# Altium PCB LOGTURTLE_APR_25_TX.PcbDoc (part 3 of 5)
Units mm, origin at the board's own origin, x right, y up, seen from the top; angles counter-clockwise.
Board outline 161.1 x 125.7 mm, 6 copper layers (Top Layer, Mid-Layer 1, Mid-Layer 2, Mid-Layer 3, Mid-Layer 4, Bottom Layer), stack 1.771 mm thick; 253 components, 174 nets, 811 pads, 5842 vias.
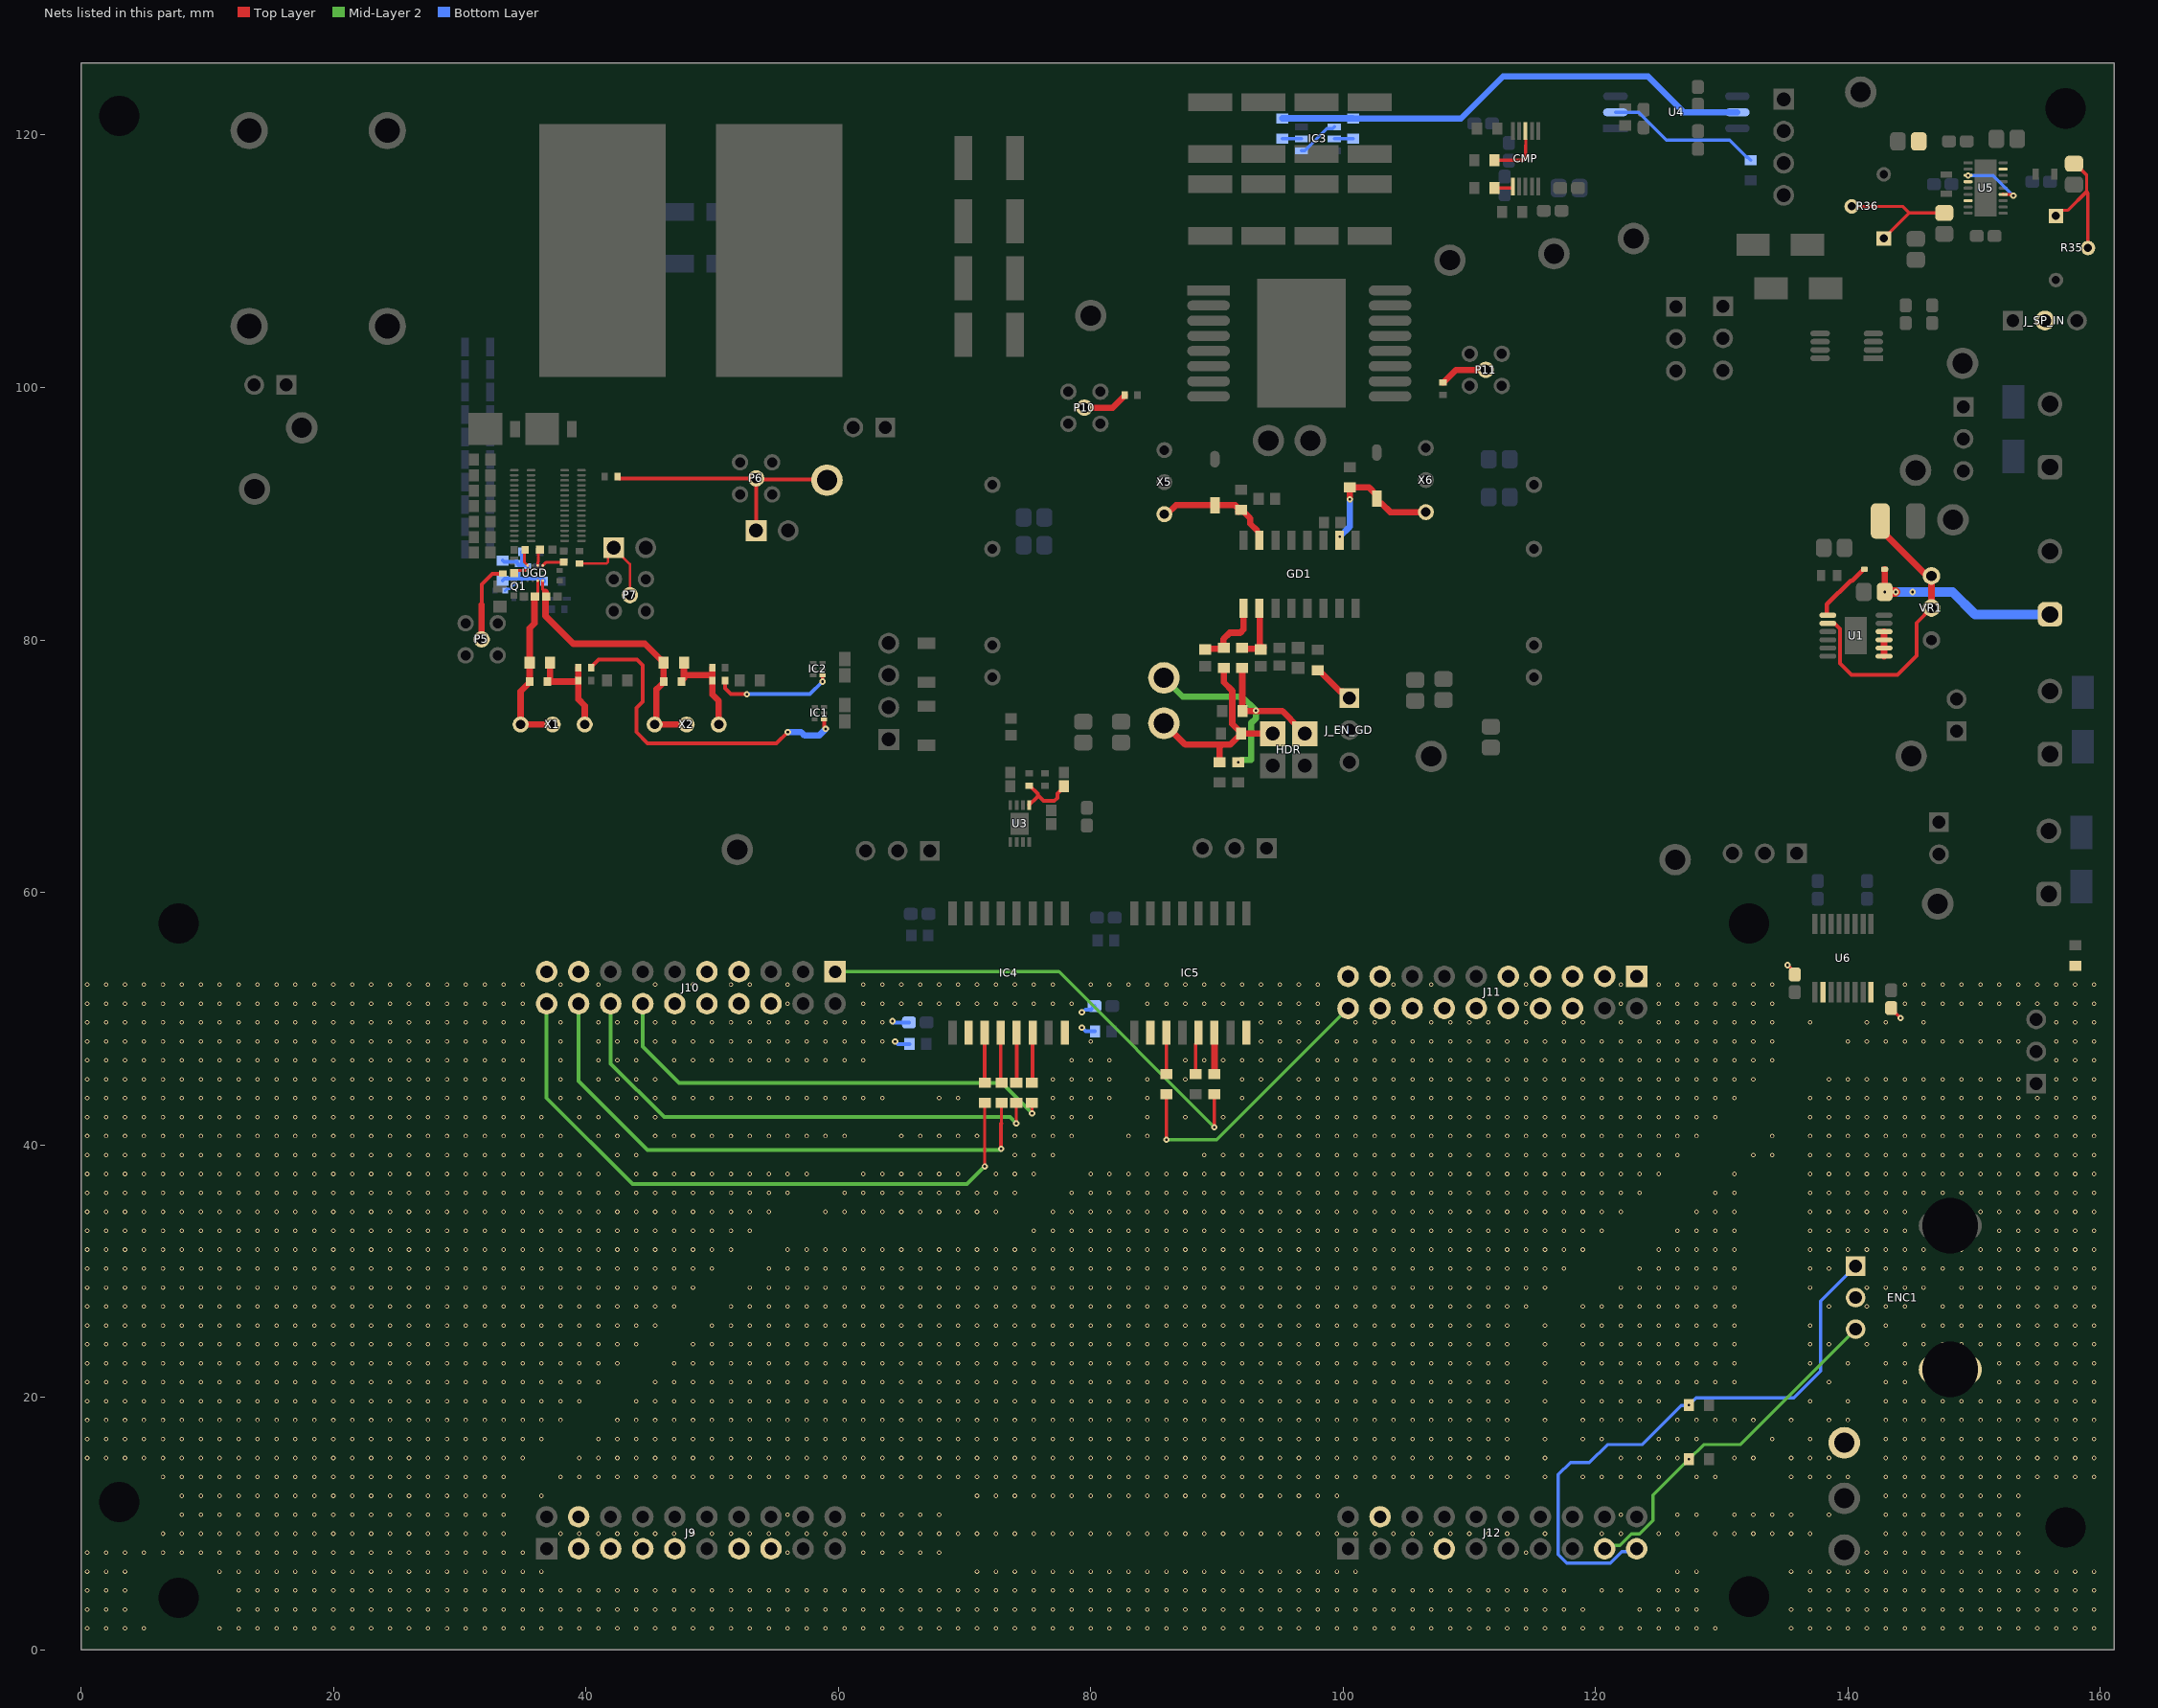
[diagram p7: the nets of this part, all layers, seen from the top]

## Via types
v1: diameter 0.35, hole 0.2, Top Layer to Bottom Layer, 5159 vias
v2: diameter 0.35, hole 0.2, Top Layer to Bottom Layer, tented both sides, 493 vias
v3: diameter 0.5, hole 0.2, Top Layer to Bottom Layer, 141 vias
v4: diameter 0.5, hole 0.2, Top Layer to Bottom Layer, tented both sides, 28 vias
v5: diameter 0.6, hole 0.2, Top Layer to Bottom Layer, tented both sides, 21 vias

## Nets (pads, with @x,y where several pads share a name; then routed paths per layer and width w, separated by ;. In a path a pad name is that pad's centre, name@x,y a point inside that pad or via, vN(x,y) a via of type N, cw(c..) or ccw(c..) an arc to the next point about the centre after c; other vN are vias at no path point) (continued)
GND: C55.1 C60.1 C70.1 C71.1 C74.1 C75.1 ENC1.2 ENC1.C IC4.2 IC4.8 IC5.2 IC5.8 J9.4 J10.19 J11.19 J12.4 RRGNDREF.2 TP9.1 U6.2 U6.8 | length 7
  Top Layer w0.254: v3(135.209,54.242) 135.786,53.666 C75.1@135.786,53.498 ; C74.1@143.414,50.842 143.414,50.792 v3(144.164,50.042)
  Bottom Layer w0.3: v3(64.3,49.8) 64.4,49.7 C60.1@65.6,49.7 ; v3(64.5,48.2) 64.711,47.989 C55.1@65.64,47.989 ; v3(79.3,49.3) 79.611,48.989 C70.1@80.34,48.989 ; v3(79.3,50.5) 79.354,50.5 79.583,50.729 80.029,50.729 C71.1@80.3,51
  other v1: 0.49,1.7 1.99,1.7 3.49,1.7 4.99,1.7 10.99,1.7 12.49,1.7 13.99,1.7 15.49,1.7 16.99,1.7 18.49,1.7 19.99,1.7 21.49,1.7 22.99,1.7 24.49,1.7 25.99,1.7 27.49,1.7 28.99,1.7 30.49,1.7 31.99,1.7 33.49,1.7 34.99,1.7 36.49,1.7 37.99,1.7 39.49,1.7 40.99,1.7 42.49,1.7 43.99,1.7 45.49,1.7 46.99,1.7 48.49,1.7 49.99,1.7 51.49,1.7 52.99,1.7 54.49,1.7 55.99,1.7 57.49,1.7 58.99,1.7 60.49,1.7 61.99,1.7 63.49,1.7 64.99,1.7 66.49,1.7 67.99,1.7 69.49,1.7 70.99,1.7 72.49,1.7 73.99,1.7 75.49,1.7 76.99,1.7 78.49,1.7 79.99,1.7 81.49,1.7 82.99,1.7 84.49,1.7 85.99,1.7 87.49,1.7 88.99,1.7 90.49,1.7 91.99,1.7 93.49,1.7 94.99,1.7 96.49,1.7 97.99,1.7 99.49,1.7 100.99,1.7 102.49,1.7 103.99,1.7 105.49,1.7 106.99,1.7 108.49,1.7 109.99,1.7 111.49,1.7 112.99,1.7 114.49,1.7 115.99,1.7 117.49,1.7 118.99,1.7 120.49,1.7 121.99,1.7 123.49,1.7 124.99,1.7 126.49,1.7 127.99,1.7 129.49,1.7 135.49,1.7 136.99,1.7 138.49,1.7 139.99,1.7 141.49,1.7 142.99,1.7 144.49,1.7 145.99,1.7 147.49,1.7 148.99,1.7 150.49,1.7 151.99,1.7 153.49,1.7 154.99,1.7 156.49,1.7 157.99,1.7 159.49,1.7 0.49,3.2 1.99,3.2 3.49,3.2 12.49,3.2 13.99,3.2 15.49,3.2 16.99,3.2 18.49,3.2 19.99,3.2 21.49,3.2 22.99,3.2 24.49,3.2 25.99,3.2 27.49,3.2 28.99,3.2 30.49,3.2 31.99,3.2 33.49,3.2 34.99,3.2 36.49,3.2 37.99,3.2 39.49,3.2 40.99,3.2 42.49,3.2 43.99,3.2 45.49,3.2 46.99,3.2 48.49,3.2 49.99,3.2 51.49,3.2 52.99,3.2 54.49,3.2 55.99,3.2 57.49,3.2 58.99,3.2 60.49,3.2 61.99,3.2 63.49,3.2 64.99,3.2 66.49,3.2 67.99,3.2 69.49,3.2 70.99,3.2 72.49,3.2 73.99,3.2 75.49,3.2 76.99,3.2 78.49,3.2 79.99,3.2 81.49,3.2 82.99,3.2 84.49,3.2 85.99,3.2 87.49,3.2 88.99,3.2 90.49,3.2 91.99,3.2 93.49,3.2 94.99,3.2 96.49,3.2 97.99,3.2 99.49,3.2 100.99,3.2 102.49,3.2 103.99,3.2 105.49,3.2 106.99,3.2 108.49,3.2 109.99,3.2 111.49,3.2 112.99,3.2 114.49,3.2 115.99,3.2 117.49,3.2 118.99,3.2 123.49,3.2 124.99,3.2 126.49,3.2 127.99,3.2 135.49,3.2 136.99,3.2 138.49,3.2 139.99,3.2 141.49,3.2 142.99,3.2 144.49,3.2 145.99,3.2 147.49,3.2 148.99,3.2 150.49,3.2 151.99,3.2 153.49,3.2 154.99,3.2 156.49,3.2 157.99,3.2 159.49,3.2 0.49,4.7 1.99,4.7 3.49,4.7 12.49,4.7 13.99,4.7 15.49,4.7 16.99,4.7 18.49,4.7 19.99,4.7 21.49,4.7 22.99,4.7 24.49,4.7 25.99,4.7 27.49,4.7 28.99,4.7 30.49,4.7 31.99,4.7 33.49,4.7 34.99,4.7 36.49,4.7 37.99,4.7 39.49,4.7 40.99,4.7 42.49,4.7 43.99,4.7 45.49,4.7 46.99,4.7 48.49,4.7 49.99,4.7 51.49,4.7 52.99,4.7 54.49,4.7 55.99,4.7 57.49,4.7 58.99,4.7 60.49,4.7 61.99,4.7 63.49,4.7 64.99,4.7 66.49,4.7 67.99,4.7 69.49,4.7 70.99,4.7 72.49,4.7 73.99,4.7 75.49,4.7 76.99,4.7 78.49,4.7 79.99,4.7 81.49,4.7 82.99,4.7 84.49,4.7 85.99,4.7 87.49,4.7 88.99,4.7 90.49,4.7 91.99,4.7 93.49,4.7 94.99,4.7 96.49,4.7 97.99,4.7 99.49,4.7 100.99,4.7 102.49,4.7 103.99,4.7 105.49,4.7 106.99,4.7 108.49,4.7 109.99,4.7 111.49,4.7 112.99,4.7 114.49,4.7 115.99,4.7 117.49,4.7 120.49,4.7 121.99,4.7 124.99,4.7 126.49,4.7 127.99,4.7 136.99,4.7 138.49,4.7 139.99,4.7 141.49,4.7 142.99,4.7 144.49,4.7 145.99,4.7 147.49,4.7 148.99,4.7 150.49,4.7 151.99,4.7 153.49,4.7 154.99,4.7 156.49,4.7 157.99,4.7 159.49,4.7 0.49,6.2 1.99,6.2 3.49,6.2 10.99,6.2 12.49,6.2 13.99,6.2 15.49,6.2 16.99,6.2 18.49,6.2 19.99,6.2 21.49,6.2 22.99,6.2 24.49,6.2 25.99,6.2 27.49,6.2 28.99,6.2 30.49,6.2 31.99,6.2 33.49,6.2 34.99,6.2 36.49,6.2 70.99,6.2 72.49,6.2 73.99,6.2 75.49,6.2 76.99,6.2 78.49,6.2 79.99,6.2 81.49,6.2 82.99,6.2 84.49,6.2 85.99,6.2 87.49,6.2 88.99,6.2 90.49,6.2 91.99,6.2 93.49,6.2 94.99,6.2 96.49,6.2 97.99,6.2 99.49,6.2 100.99,6.2 126.49,6.2 127.99,6.2 135.49,6.2 136.99,6.2 138.49,6.2 139.99,6.2 141.49,6.2 142.99,6.2 144.49,6.2 145.99,6.2 147.49,6.2 148.99,6.2 150.49,6.2 151.99,6.2 153.49,6.2 154.99,6.2 156.49,6.2 157.99,6.2 159.49,6.2 0.49,7.7 1.99,7.7 3.49,7.7 4.99,7.7 6.49,7.7 7.99,7.7 9.49,7.7 10.99,7.7 12.49,7.7 13.99,7.7 15.49,7.7 16.99,7.7 18.49,7.7 19.99,7.7 21.49,7.7 22.99,7.7 24.49,7.7 25.99,7.7 27.49,7.7 28.99,7.7 30.49,7.7 31.99,7.7 33.49,7.7 34.99,7.7 55.99,7.7 61.99,7.7 63.49,7.7 64.99,7.7 66.49,7.7 67.99,7.7 114.49,7.7 141.49,7.7 142.99,7.7 144.49,7.7 145.99,7.7 147.49,7.7 148.99,7.7 150.49,7.7 151.99,7.7 153.49,7.7 6.49,9.2 7.99,9.2 9.49,9.2 10.99,9.2 12.49,9.2 13.99,9.2 15.49,9.2 16.99,9.2 18.49,9.2 19.99,9.2 21.49,9.2 22.99,9.2 24.49,9.2 25.99,9.2 27.49,9.2 28.99,9.2 30.49,9.2 31.99,9.2 33.49,9.2 37.99,9.2 39.49,9.2 40.99,9.2 42.49,9.2 43.99,9.2 45.49,9.2 46.99,9.2 48.49,9.2 49.99,9.2 51.49,9.2 52.99,9.2 54.49,9.2 55.99,9.2 57.49,9.2 58.99,9.2 60.49,9.2 61.99,9.2 63.49,9.2 64.99,9.2 66.49,9.2 67.99,9.2 69.49,9.2 70.99,9.2 72.49,9.2 73.99,9.2 75.49,9.2 76.99,9.2 78.49,9.2 79.99,9.2 81.49,9.2 82.99,9.2 84.49,9.2 85.99,9.2 87.49,9.2 88.99,9.2 90.49,9.2 91.99,9.2 93.49,9.2 94.99,9.2 96.49,9.2 97.99,9.2 99.49,9.2 100.99,9.2 102.49,9.2 103.99,9.2 105.49,9.2 106.99,9.2 108.49,9.2 109.99,9.2 111.49,9.2 112.99,9.2 115.99,9.2 120.49,9.2 121.99,9.2 124.99,9.2 126.49,9.2 129.49,9.2 130.99,9.2 132.49,9.2 133.99,9.2 135.49,9.2 136.99,9.2 142.99,9.2 144.49,9.2 145.99,9.2 147.49,9.2 148.99,9.2 150.49,9.2 151.99,9.2 153.49,9.2 7.99,10.7 9.49,10.7 10.99,10.7 12.49,10.7 13.99,10.7 15.49,10.7 16.99,10.7 18.49,10.7 19.99,10.7 21.49,10.7 22.99,10.7 24.49,10.7 25.99,10.7 27.49,10.7 28.99,10.7 30.49,10.7 31.99,10.7 33.49,10.7 55.99,10.7 61.99,10.7 63.49,10.7 64.99,10.7 66.49,10.7 67.99,10.7 121.99,10.7 126.49,10.7 127.99,10.7 130.99,10.7 132.49,10.7 133.99,10.7 135.49,10.7 138.49,10.7 142.99,10.7 144.49,10.7 145.99,10.7 147.49,10.7 148.99,10.7 150.49,10.7 151.99,10.7 153.49,10.7 7.99,12.2 9.49,12.2 10.99,12.2 12.49,12.2 13.99,12.2 15.49,12.2 16.99,12.2 18.49,12.2 19.99,12.2 21.49,12.2 22.99,12.2 24.49,12.2 25.99,12.2 27.49,12.2 28.99,12.2 30.49,12.2 31.99,12.2 33.49,12.2 36.49,12.2 70.99,12.2 72.49,12.2 73.99,12.2 75.49,12.2 76.99,12.2 78.49,12.2 79.99,12.2 81.49,12.2 82.99,12.2 84.49,12.2 85.99,12.2 87.49,12.2 88.99,12.2 90.49,12.2 91.99,12.2 93.49,12.2 94.99,12.2 96.49,12.2 97.99,12.2 99.49,12.2 142.99,12.2 144.49,12.2 145.99,12.2 147.49,12.2 148.99,12.2 150.49,12.2 151.99,12.2 153.49,12.2 6.49,13.7 7.99,13.7 9.49,13.7 10.99,13.7 12.49,13.7 13.99,13.7 15.49,13.7 16.99,13.7 18.49,13.7 19.99,13.7 21.49,13.7 22.99,13.7 24.49,13.7 25.99,13.7 27.49,13.7 28.99,13.7 30.49,13.7 31.99,13.7 33.49,13.7 37.99,13.7 39.49,13.7 40.99,13.7 42.49,13.7 43.99,13.7 45.49,13.7 46.99,13.7 48.49,13.7 49.99,13.7 51.49,13.7 52.99,13.7 54.49,13.7 55.99,13.7 57.49,13.7 58.99,13.7 60.49,13.7 61.99,13.7 63.49,13.7 64.99,13.7 66.49,13.7 67.99,13.7 69.49,13.7 70.99,13.7 72.49,13.7 73.99,13.7 75.49,13.7 76.99,13.7 78.49,13.7 79.99,13.7 81.49,13.7 82.99,13.7 84.49,13.7 85.99,13.7 87.49,13.7 88.99,13.7 90.49,13.7 91.99,13.7 93.49,13.7 94.99,13.7 96.49,13.7 97.99,13.7 99.49,13.7 100.99,13.7 102.49,13.7 103.99,13.7 105.49,13.7 106.99,13.7 108.49,13.7 109.99,13.7 111.49,13.7 112.99,13.7 115.99,13.7 118.99,13.7 120.49,13.7 121.99,13.7 123.49,13.7 124.99,13.7 127.99,13.7 129.49,13.7 135.49,13.7 136.99,13.7 138.49,13.7 139.99,13.7 142.99,13.7 144.49,13.7 145.99,13.7 147.49,13.7 148.99,13.7 150.49,13.7 151.99,13.7 153.49,13.7 154.99,13.7 156.49,13.7 157.99,13.7 159.49,13.7 0.49,15.2 1.99,15.2 3.49,15.2 4.99,15.2 6.49,15.2 7.99,15.2 9.49,15.2 10.99,15.2 12.49,15.2 13.99,15.2 15.49,15.2 16.99,15.2 18.49,15.2 19.99,15.2 21.49,15.2 22.99,15.2 24.49,15.2 25.99,15.2 27.49,15.2 28.99,15.2 30.49,15.2 31.99,15.2 33.49,15.2 34.99,15.2 39.49,15.2 40.99,15.2 42.49,15.2 43.99,15.2 45.49,15.2 46.99,15.2 48.49,15.2 49.99,15.2 51.49,15.2 52.99,15.2 54.49,15.2 55.99,15.2 57.49,15.2 58.99,15.2 60.49,15.2 61.99,15.2 63.49,15.2 64.99,15.2 66.49,15.2 67.99,15.2 69.49,15.2 70.99,15.2 72.49,15.2 73.99,15.2 75.49,15.2 76.99,15.2 78.49,15.2 79.99,15.2 81.49,15.2 82.99,15.2 84.49,15.2 85.99,15.2 87.49,15.2 88.99,15.2 90.49,15.2 91.99,15.2 93.49,15.2 94.99,15.2 96.49,15.2 97.99,15.2 99.49,15.2 100.99,15.2 102.49,15.2 103.99,15.2 105.49,15.2 106.99,15.2 108.49,15.2 109.99,15.2 111.49,15.2 112.99,15.2 115.99,15.2 121.99,15.2 123.49,15.2 124.99,15.2 126.49,15.2 130.99,15.2 132.49,15.2 135.49,15.2 136.99,15.2 138.49,15.2 142.99,15.2 144.49,15.2 145.99,15.2 147.49,15.2 148.99,15.2 150.49,15.2 151.99,15.2 153.49,15.2 154.99,15.2 156.49,15.2 157.99,15.2 159.49,15.2 0.49,16.7 1.99,16.7 3.49,16.7 4.99,16.7 6.49,16.7 7.99,16.7 9.49,16.7 10.99,16.7 12.49,16.7 13.99,16.7 15.49,16.7 16.99,16.7 18.49,16.7 19.99,16.7 21.49,16.7 22.99,16.7 24.49,16.7 25.99,16.7 27.49,16.7 28.99,16.7 30.49,16.7 31.99,16.7 33.49,16.7 34.99,16.7 36.49,16.7 40.99,16.7 42.49,16.7 43.99,16.7 45.49,16.7 46.99,16.7 48.49,16.7 49.99,16.7 51.49,16.7 52.99,16.7 54.49,16.7 55.99,16.7 57.49,16.7 58.99,16.7 60.49,16.7 61.99,16.7 63.49,16.7 64.99,16.7 66.49,16.7 67.99,16.7 69.49,16.7 70.99,16.7 72.49,16.7 73.99,16.7 75.49,16.7 76.99,16.7 78.49,16.7 79.99,16.7 81.49,16.7 82.99,16.7 84.49,16.7 85.99,16.7 87.49,16.7 88.99,16.7 90.49,16.7 91.99,16.7 93.49,16.7 94.99,16.7 96.49,16.7 97.99,16.7 99.49,16.7 100.99,16.7 102.49,16.7 103.99,16.7 105.49,16.7 106.99,16.7 108.49,16.7 109.99,16.7 111.49,16.7 112.99,16.7 115.99,16.7 118.99,16.7 120.49,16.7 124.99,16.7 126.49,16.7 127.99,16.7 133.99,16.7 136.99,16.7 142.99,16.7 144.49,16.7 145.99,16.7 147.49,16.7 148.99,16.7 150.49,16.7 151.99,16.7 153.49,16.7 154.99,16.7 156.49,16.7 157.99,16.7 159.49,16.7 0.49,18.2 1.99,18.2 3.49,18.2 4.99,18.2 6.49,18.2 7.99,18.2 9.49,18.2 10.99,18.2 12.49,18.2 13.99,18.2 15.49,18.2 16.99,18.2 18.49,18.2 19.99,18.2 21.49,18.2 22.99,18.2 24.49,18.2 25.99,18.2 27.49,18.2 28.99,18.2 30.49,18.2 31.99,18.2 33.49,18.2 34.99,18.2 36.49,18.2 37.99,18.2 42.49,18.2 43.99,18.2 45.49,18.2 46.99,18.2 48.49,18.2 49.99,18.2 51.49,18.2 52.99,18.2 54.49,18.2 55.99,18.2 57.49,18.2 58.99,18.2 60.49,18.2 61.99,18.2 63.49,18.2 64.99,18.2 66.49,18.2 67.99,18.2 69.49,18.2 70.99,18.2 72.49,18.2 73.99,18.2 75.49,18.2 76.99,18.2 78.49,18.2 79.99,18.2 81.49,18.2 82.99,18.2 84.49,18.2 85.99,18.2 87.49,18.2 88.99,18.2 90.49,18.2 91.99,18.2 93.49,18.2 94.99,18.2 96.49,18.2 97.99,18.2 99.49,18.2 100.99,18.2 102.49,18.2 103.99,18.2 105.49,18.2 106.99,18.2 108.49,18.2 109.99,18.2 111.49,18.2 112.99,18.2 115.99,18.2 118.99,18.2 120.49,18.2 121.99,18.2 123.49,18.2 126.49,18.2 127.99,18.2 129.49,18.2 130.99,18.2 132.49,18.2 135.49,18.2 138.49,18.2 139.99,18.2 142.99,18.2 144.49,18.2 145.99,18.2 147.49,18.2 148.99,18.2 150.49,18.2 151.99,18.2 153.49,18.2 154.99,18.2 156.49,18.2 157.99,18.2 159.49,18.2 0.49,19.7 1.99,19.7 3.49,19.7 4.99,19.7 6.49,19.7 7.99,19.7 9.49,19.7 10.99,19.7 12.49,19.7 13.99,19.7 15.49,19.7 16.99,19.7 18.49,19.7 19.99,19.7 21.49,19.7 22.99,19.7 24.49,19.7 25.99,19.7 27.49,19.7 28.99,19.7 30.49,19.7 31.99,19.7 33.49,19.7 34.99,19.7 36.49,19.7 37.99,19.7 39.49,19.7 43.99,19.7 45.49,19.7 46.99,19.7 48.49,19.7 49.99,19.7 51.49,19.7 52.99,19.7 54.49,19.7 55.99,19.7 57.49,19.7 58.99,19.7 60.49,19.7 61.99,19.7 63.49,19.7 64.99,19.7 66.49,19.7 67.99,19.7 69.49,19.7 70.99,19.7 72.49,19.7 73.99,19.7 75.49,19.7 76.99,19.7 78.49,19.7 79.99,19.7 81.49,19.7 82.99,19.7 84.49,19.7 85.99,19.7 87.49,19.7 88.99,19.7 90.49,19.7 91.99,19.7 93.49,19.7 94.99,19.7 96.49,19.7 97.99,19.7 99.49,19.7 100.99,19.7 102.49,19.7 103.99,19.7 105.49,19.7 106.99,19.7 108.49,19.7 109.99,19.7 111.49,19.7 112.99,19.7 115.99,19.7 118.99,19.7 120.49,19.7 121.99,19.7 123.49,19.7 124.99,19.7 136.99,19.7 139.99,19.7 142.99,19.7 144.49,19.7 145.99,19.7 147.49,19.7 148.99,19.7 150.49,19.7 151.99,19.7 153.49,19.7 154.99,19.7 156.49,19.7 157.99,19.7 159.49,19.7 0.49,21.2 1.99,21.2 3.49,21.2 4.99,21.2 6.49,21.2 7.99,21.2 9.49,21.2 10.99,21.2 12.49,21.2 13.99,21.2 15.49,21.2 16.99,21.2 18.49,21.2 19.99,21.2 21.49,21.2 22.99,21.2 24.49,21.2 25.99,21.2 27.49,21.2 28.99,21.2 30.49,21.2 31.99,21.2 33.49,21.2 34.99,21.2 36.49,21.2 37.99,21.2 39.49,21.2 40.99,21.2 45.49,21.2 46.99,21.2 48.49,21.2 49.99,21.2 51.49,21.2 52.99,21.2 54.49,21.2 55.99,21.2 57.49,21.2 58.99,21.2 60.49,21.2 61.99,21.2 63.49,21.2 64.99,21.2 66.49,21.2 67.99,21.2 69.49,21.2 70.99,21.2 72.49,21.2 73.99,21.2 75.49,21.2 76.99,21.2 78.49,21.2 79.99,21.2 81.49,21.2 82.99,21.2 84.49,21.2 85.99,21.2 87.49,21.2 88.99,21.2 90.49,21.2 91.99,21.2 93.49,21.2 94.99,21.2 96.49,21.2 97.99,21.2 99.49,21.2 100.99,21.2 102.49,21.2 103.99,21.2 105.49,21.2 106.99,21.2 108.49,21.2 109.99,21.2 111.49,21.2 112.99,21.2 115.99,21.2 118.99,21.2 120.49,21.2 121.99,21.2 123.49,21.2 124.99,21.2 126.49,21.2 127.99,21.2 129.49,21.2 130.99,21.2 138.49,21.2 142.99,21.2 144.49,21.2 151.99,21.2 153.49,21.2 154.99,21.2 156.49,21.2 157.99,21.2 159.49,21.2 0.49,22.7 1.99,22.7 3.49,22.7 4.99,22.7 6.49,22.7 7.99,22.7 9.49,22.7 10.99,22.7 12.49,22.7 13.99,22.7 15.49,22.7 16.99,22.7 18.49,22.7 19.99,22.7 21.49,22.7 22.99,22.7 24.49,22.7 25.99,22.7 27.49,22.7 28.99,22.7 30.49,22.7 31.99,22.7 33.49,22.7 34.99,22.7 36.49,22.7 37.99,22.7 39.49,22.7 40.99,22.7 42.49,22.7 46.99,22.7 48.49,22.7 49.99,22.7 51.49,22.7 52.99,22.7 54.49,22.7 55.99,22.7 57.49,22.7 58.99,22.7 60.49,22.7 61.99,22.7 63.49,22.7 64.99,22.7 66.49,22.7 67.99,22.7 69.49,22.7 70.99,22.7 72.49,22.7 73.99,22.7 75.49,22.7 76.99,22.7 78.49,22.7 79.99,22.7 81.49,22.7 82.99,22.7 84.49,22.7 85.99,22.7 87.49,22.7 88.99,22.7 90.49,22.7 91.99,22.7 93.49,22.7 94.99,22.7 96.49,22.7 97.99,22.7 99.49,22.7 100.99,22.7 102.49,22.7 103.99,22.7 105.49,22.7 106.99,22.7 108.49,22.7 109.99,22.7 111.49,22.7 112.99,22.7 115.99,22.7 118.99,22.7 120.49,22.7 121.99,22.7 123.49,22.7 124.99,22.7 126.49,22.7 127.99,22.7 129.49,22.7 130.99,22.7 136.99,22.7 139.99,22.7 142.99,22.7 144.49,22.7 151.99,22.7 153.49,22.7 154.99,22.7 156.49,22.7 157.99,22.7 159.49,22.7 0.49,24.2 1.99,24.2 3.49,24.2 4.99,24.2 6.49,24.2 7.99,24.2 9.49,24.2 10.99,24.2 12.49,24.2 13.99,24.2 15.49,24.2 16.99,24.2 18.49,24.2 19.99,24.2 21.49,24.2 22.99,24.2 24.49,24.2 25.99,24.2 27.49,24.2 28.99,24.2 30.49,24.2 31.99,24.2 33.49,24.2 34.99,24.2 36.49,24.2 37.99,24.2 39.49,24.2 40.99,24.2 42.49,24.2 43.99,24.2 48.49,24.2 49.99,24.2 51.49,24.2 52.99,24.2 54.49,24.2 55.99,24.2 57.49,24.2 58.99,24.2 60.49,24.2 61.99,24.2 63.49,24.2 64.99,24.2 66.49,24.2 67.99,24.2 69.49,24.2 70.99,24.2 72.49,24.2 73.99,24.2 75.49,24.2 76.99,24.2 78.49,24.2 79.99,24.2 81.49,24.2 82.99,24.2 84.49,24.2 85.99,24.2 87.49,24.2 88.99,24.2 90.49,24.2 91.99,24.2 93.49,24.2 94.99,24.2 96.49,24.2 97.99,24.2 99.49,24.2 100.99,24.2 102.49,24.2 103.99,24.2 105.49,24.2 106.99,24.2 108.49,24.2 109.99,24.2 111.49,24.2 112.99,24.2 115.99,24.2 118.99,24.2 120.49,24.2 121.99,24.2 123.49,24.2 124.99,24.2 126.49,24.2 127.99,24.2 129.49,24.2 130.99,24.2 136.99,24.2 138.49,24.2 141.49,24.2 144.49,24.2 145.99,24.2 147.49,24.2 148.99,24.2 150.49,24.2 151.99,24.2 153.49,24.2 154.99,24.2 156.49,24.2 157.99,24.2 159.49,24.2 0.49,25.7 1.99,25.7 3.49,25.7 4.99,25.7 6.49,25.7 7.99,25.7 9.49,25.7 10.99,25.7 12.49,25.7 13.99,25.7 15.49,25.7 16.99,25.7 18.49,25.7 19.99,25.7 21.49,25.7 22.99,25.7 24.49,25.7 25.99,25.7 27.49,25.7 28.99,25.7 30.49,25.7 31.99,25.7 33.49,25.7 34.99,25.7 36.49,25.7 37.99,25.7 39.49,25.7 40.99,25.7 42.49,25.7 43.99,25.7 45.49,25.7 49.99,25.7 51.49,25.7 52.99,25.7 54.49,25.7 55.99,25.7 57.49,25.7 58.99,25.7 60.49,25.7 61.99,25.7 63.49,25.7 64.99,25.7 66.49,25.7 67.99,25.7 69.49,25.7 70.99,25.7 72.49,25.7 73.99,25.7 75.49,25.7 76.99,25.7 78.49,25.7 79.99,25.7 81.49,25.7 82.99,25.7 84.49,25.7 85.99,25.7 87.49,25.7 88.99,25.7 90.49,25.7 91.99,25.7 93.49,25.7 94.99,25.7 96.49,25.7 97.99,25.7 99.49,25.7 100.99,25.7 102.49,25.7 103.99,25.7 105.49,25.7 106.99,25.7 108.49,25.7 109.99,25.7 111.49,25.7 112.99,25.7 115.99,25.7 118.99,25.7 120.49,25.7 121.99,25.7 123.49,25.7 124.99,25.7 126.49,25.7 127.99,25.7 129.49,25.7 130.99,25.7 136.99,25.7 142.99,25.7 145.99,25.7 147.49,25.7 148.99,25.7 150.49,25.7 151.99,25.7 153.49,25.7 154.99,25.7 156.49,25.7 157.99,25.7 159.49,25.7 0.49,27.2 1.99,27.2 3.49,27.2 4.99,27.2 6.49,27.2 7.99,27.2 9.49,27.2 10.99,27.2 12.49,27.2 13.99,27.2 15.49,27.2 16.99,27.2 18.49,27.2 19.99,27.2 21.49,27.2 22.99,27.2 24.49,27.2 25.99,27.2 27.49,27.2 28.99,27.2 30.49,27.2 31.99,27.2 33.49,27.2 34.99,27.2 36.49,27.2 37.99,27.2 39.49,27.2 40.99,27.2 42.49,27.2 43.99,27.2 45.49,27.2 46.99,27.2 51.49,27.2 52.99,27.2 54.49,27.2 55.99,27.2 57.49,27.2 58.99,27.2 60.49,27.2 61.99,27.2 63.49,27.2 64.99,27.2 66.49,27.2 67.99,27.2 69.49,27.2 70.99,27.2 72.49,27.2 73.99,27.2 75.49,27.2 76.99,27.2 78.49,27.2 79.99,27.2 81.49,27.2 82.99,27.2 84.49,27.2 85.99,27.2 87.49,27.2 88.99,27.2 90.49,27.2 91.99,27.2 93.49,27.2 94.99,27.2 96.49,27.2 97.99,27.2 99.49,27.2 100.99,27.2 102.49,27.2 103.99,27.2 105.49,27.2 106.99,27.2 108.49,27.2 109.99,27.2 111.49,27.2 112.99,27.2 114.49,27.2 118.99,27.2 120.49,27.2 121.99,27.2 123.49,27.2 124.99,27.2 126.49,27.2 127.99,27.2 129.49,27.2 130.99,27.2 138.49,27.2 141.49,27.2 142.99,27.2 144.49,27.2 147.49,27.2 148.99,27.2 150.49,27.2 151.99,27.2 153.49,27.2 154.99,27.2 156.49,27.2 157.99,27.2 159.49,27.2 0.49,28.7 1.99,28.7 3.49,28.7 4.99,28.7 6.49,28.7 7.99,28.7 9.49,28.7 10.99,28.7 12.49,28.7 13.99,28.7 15.49,28.7 16.99,28.7 18.49,28.7 19.99,28.7 21.49,28.7 22.99,28.7 24.49,28.7 25.99,28.7 27.49,28.7 28.99,28.7 30.49,28.7 31.99,28.7 33.49,28.7 34.99,28.7 36.49,28.7 37.99,28.7 39.49,28.7 40.99,28.7 42.49,28.7 43.99,28.7 45.49,28.7 46.99,28.7 48.49,28.7 52.99,28.7 54.49,28.7 55.99,28.7 57.49,28.7 58.99,28.7 60.49,28.7 61.99,28.7 63.49,28.7 64.99,28.7 66.49,28.7 67.99,28.7 69.49,28.7 70.99,28.7 72.49,28.7 73.99,28.7 75.49,28.7 76.99,28.7 78.49,28.7 79.99,28.7 81.49,28.7 82.99,28.7 84.49,28.7 85.99,28.7 87.49,28.7 88.99,28.7 90.49,28.7 91.99,28.7 93.49,28.7 94.99,28.7 96.49,28.7 97.99,28.7 99.49,28.7 100.99,28.7 102.49,28.7 103.99,28.7 105.49,28.7 106.99,28.7 108.49,28.7 109.99,28.7 111.49,28.7 112.99,28.7 114.49,28.7 115.99,28.7 121.99,28.7 123.49,28.7 124.99,28.7 126.49,28.7 127.99,28.7 129.49,28.7 130.99,28.7 136.99,28.7 141.49,28.7 142.99,28.7 144.49,28.7 145.99,28.7 148.99,28.7 150.49,28.7 151.99,28.7 153.49,28.7 154.99,28.7 156.49,28.7 157.99,28.7 159.49,28.7 0.49,30.2 1.99,30.2 3.49,30.2 4.99,30.2 6.49,30.2 7.99,30.2 9.49,30.2 10.99,30.2 12.49,30.2 13.99,30.2 15.49,30.2 16.99,30.2 18.49,30.2 19.99,30.2 21.49,30.2 22.99,30.2 24.49,30.2 25.99,30.2 27.49,30.2 28.99,30.2 30.49,30.2 31.99,30.2 33.49,30.2 34.99,30.2 36.49,30.2 37.99,30.2 39.49,30.2 40.99,30.2 42.49,30.2 43.99,30.2 45.49,30.2 46.99,30.2 48.49,30.2 49.99,30.2 54.49,30.2 55.99,30.2 57.49,30.2 58.99,30.2 60.49,30.2 61.99,30.2 63.49,30.2 64.99,30.2 66.49,30.2 67.99,30.2 69.49,30.2 70.99,30.2 72.49,30.2 73.99,30.2 75.49,30.2 76.99,30.2 78.49,30.2 79.99,30.2 81.49,30.2 82.99,30.2 84.49,30.2 85.99,30.2 87.49,30.2 88.99,30.2 90.49,30.2 91.99,30.2 93.49,30.2 94.99,30.2 96.49,30.2 97.99,30.2 99.49,30.2 100.99,30.2 102.49,30.2 103.99,30.2 105.49,30.2 106.99,30.2 108.49,30.2 109.99,30.2 111.49,30.2 112.99,30.2 114.49,30.2 115.99,30.2 117.49,30.2 123.49,30.2 124.99,30.2 126.49,30.2 127.99,30.2 129.49,30.2 130.99,30.2 136.99,30.2 138.49,30.2 142.99,30.2 144.49,30.2 145.99,30.2 147.49,30.2 148.99,30.2 150.49,30.2 151.99,30.2 153.49,30.2 154.99,30.2 156.49,30.2 157.99,30.2 159.49,30.2 0.49,31.7 1.99,31.7 3.49,31.7 4.99,31.7 6.49,31.7 7.99,31.7 9.49,31.7 10.99,31.7 12.49,31.7 13.99,31.7 15.49,31.7 16.99,31.7 18.49,31.7 19.99,31.7 21.49,31.7 22.99,31.7 24.49,31.7 25.99,31.7 27.49,31.7 28.99,31.7 30.49,31.7 31.99,31.7 33.49,31.7 34.99,31.7 36.49,31.7 37.99,31.7 39.49,31.7 40.99,31.7 42.49,31.7 43.99,31.7 45.49,31.7 46.99,31.7 48.49,31.7 49.99,31.7 51.49,31.7 55.99,31.7 57.49,31.7 58.99,31.7 60.49,31.7 61.99,31.7 63.49,31.7 64.99,31.7 66.49,31.7 67.99,31.7 69.49,31.7 70.99,31.7 72.49,31.7 73.99,31.7 75.49,31.7 76.99,31.7 78.49,31.7 79.99,31.7 81.49,31.7 82.99,31.7 84.49,31.7 85.99,31.7 87.49,31.7 88.99,31.7 90.49,31.7 91.99,31.7 93.49,31.7 94.99,31.7 96.49,31.7 97.99,31.7 99.49,31.7 100.99,31.7 102.49,31.7 103.99,31.7 105.49,31.7 106.99,31.7 108.49,31.7 109.99,31.7 111.49,31.7 112.99,31.7 114.49,31.7 115.99,31.7 117.49,31.7 118.99,31.7 124.99,31.7 126.49,31.7 127.99,31.7 129.49,31.7 130.99,31.7 136.99,31.7 138.49,31.7 139.99,31.7 141.49,31.7 142.99,31.7 144.49,31.7 145.99,31.7 147.49,31.7 148.99,31.7 150.49,31.7 151.99,31.7 153.49,31.7 154.99,31.7 156.49,31.7 157.99,31.7 159.49,31.7 0.49,33.2 1.99,33.2 